# Altium PCB Mouse-Wheel-PCB.PcbDoc
Units mm, origin at the board's own origin, x right, y up, seen from the top; angles counter-clockwise.
Board outline 68.71 x 69.22 mm, 2 copper layers (Top Layer, Bottom Layer); 27 components, 29 nets, 144 pads, 0 vias.
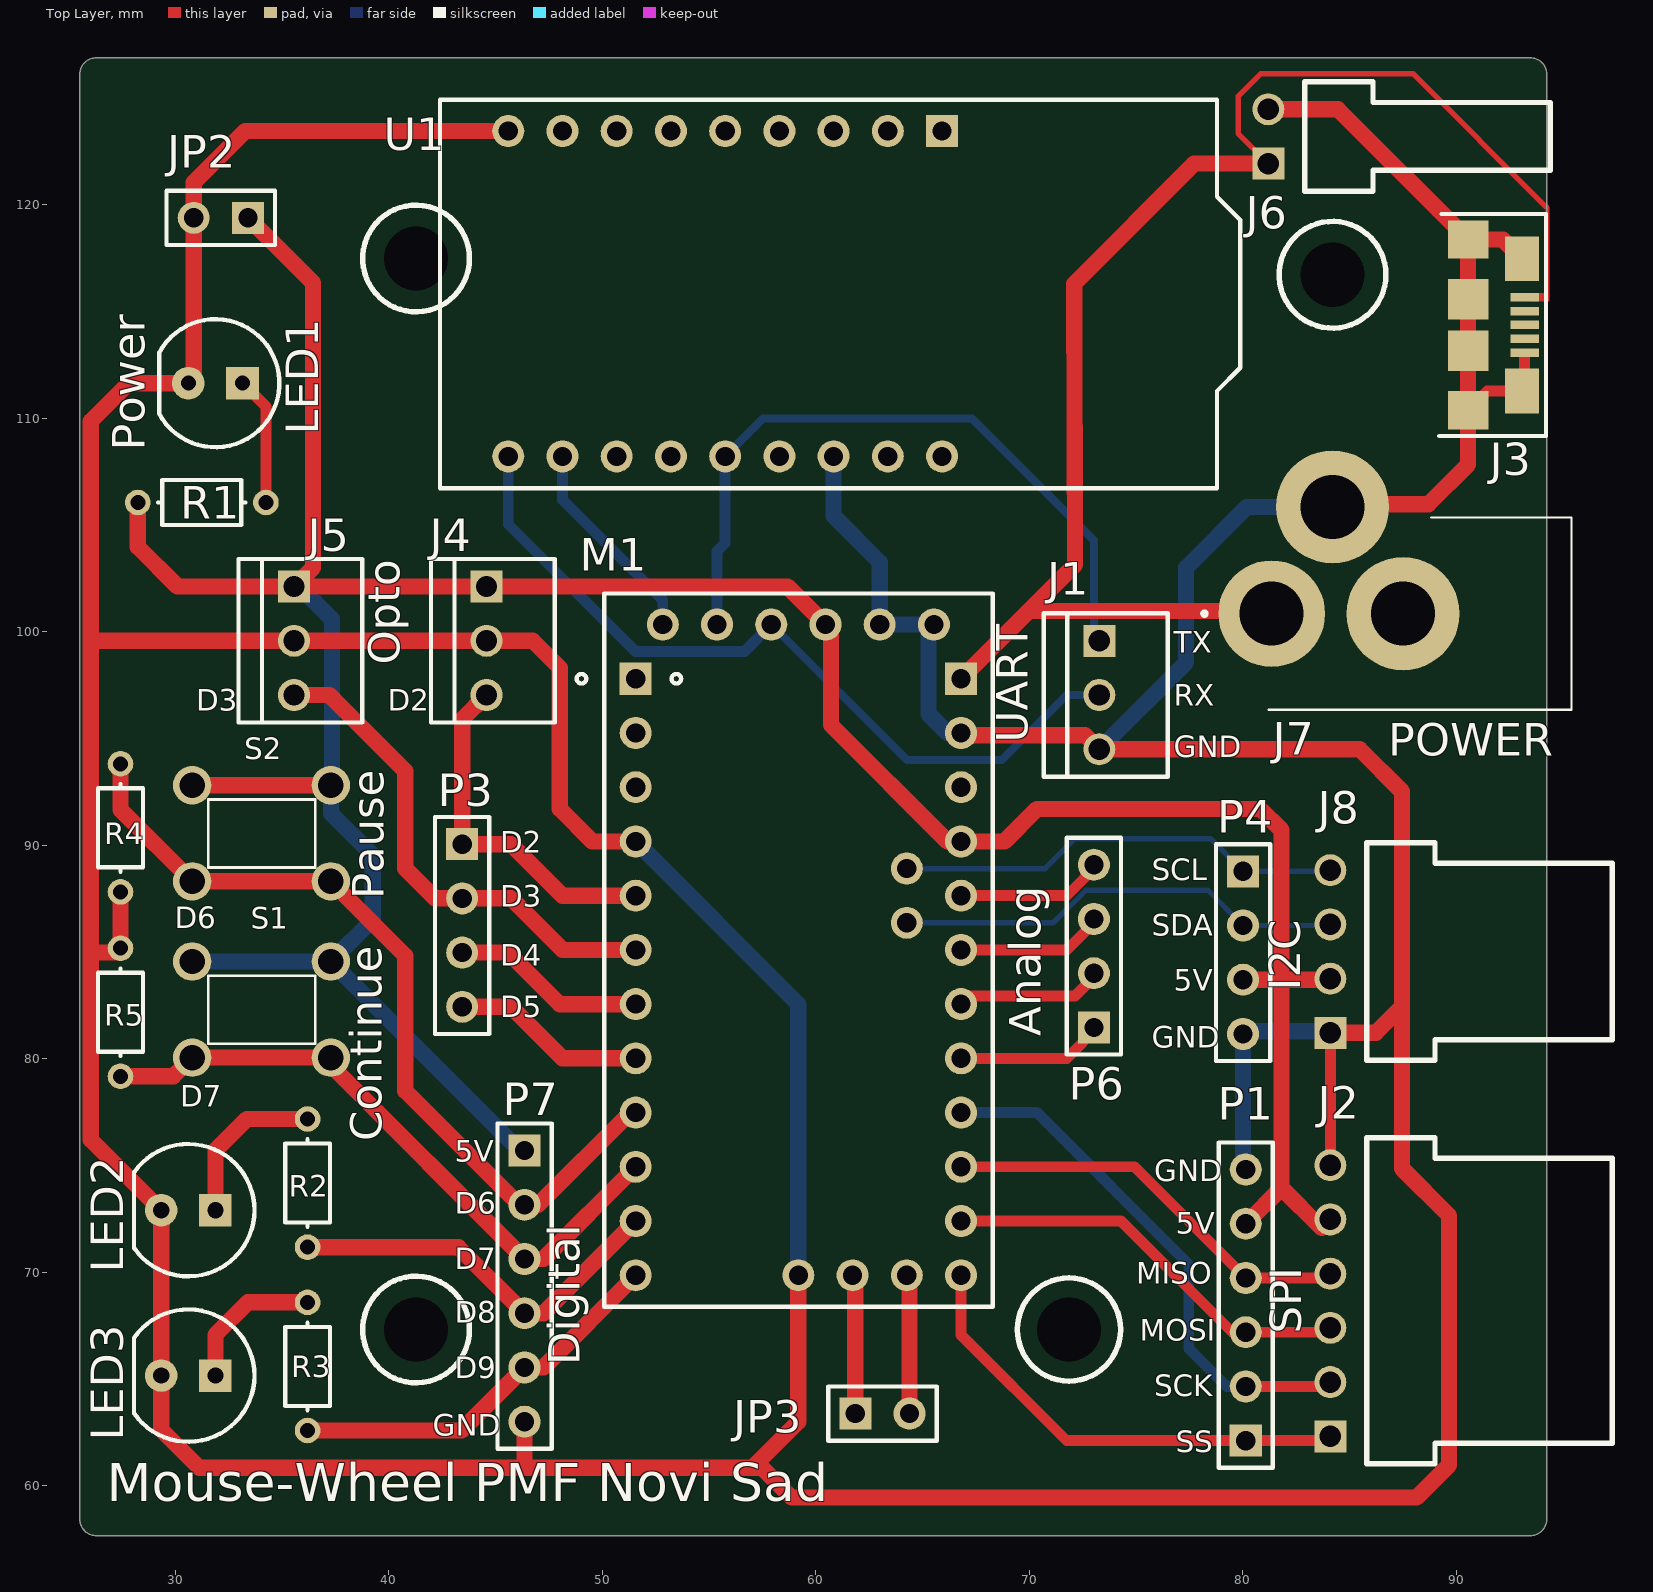
[diagram p0: Top Layer view]
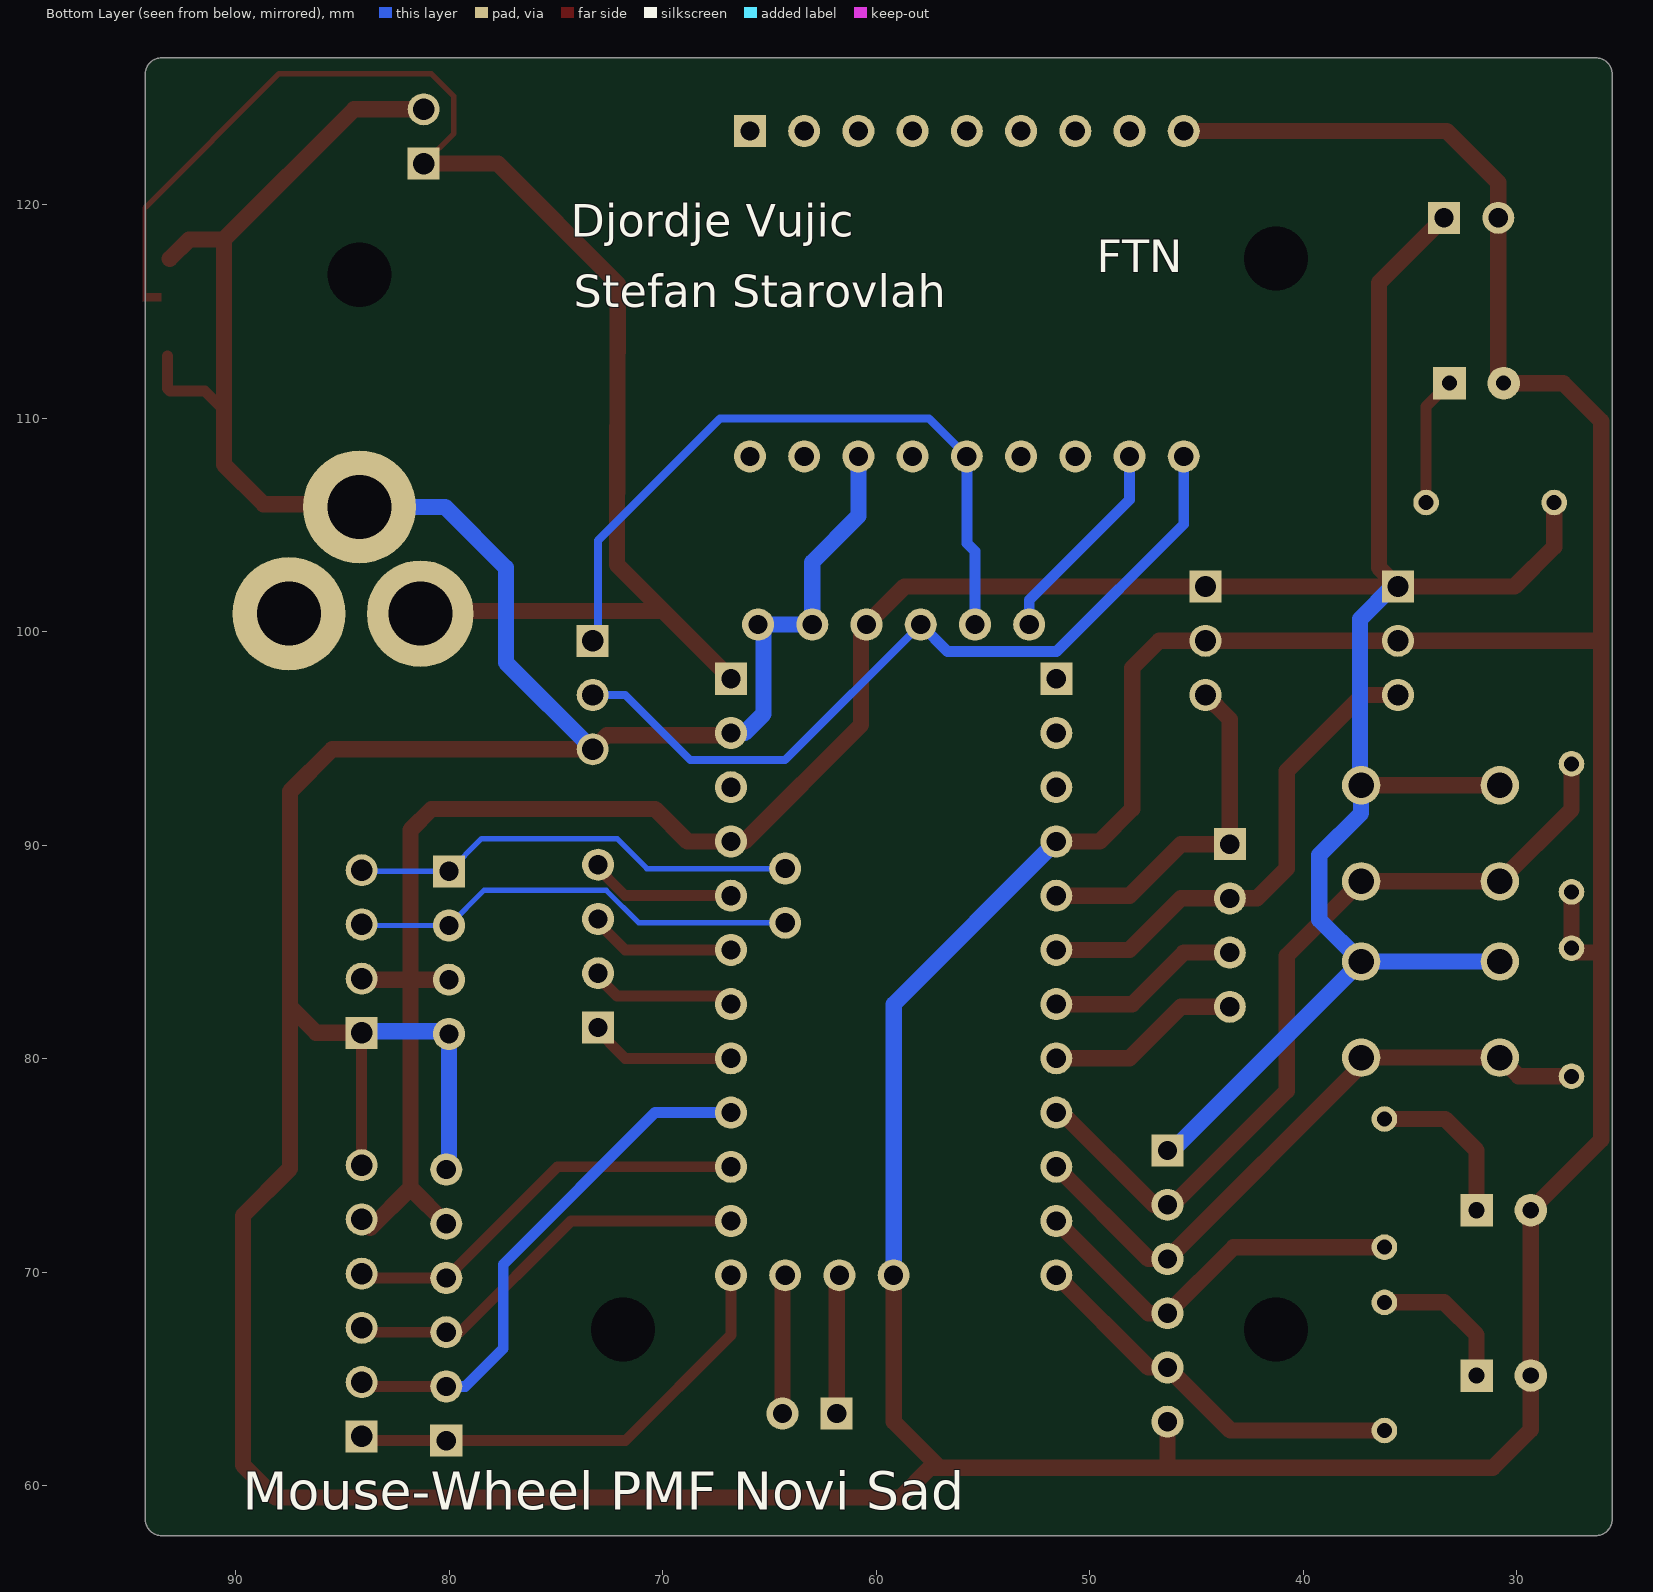
[diagram p1: Bottom Layer view, seen from below]

## Layer stack, top to bottom
Top Solder: solder mask 0.0102, Solder Resist, Dk 3.5
Top Layer: signal copper 0.0356
Dielectric 1: dielectric 0.32, FR-4, Dk 4.8
Bottom Layer: signal copper 0.0356
Bottom Solder: solder mask 0.0102, Solder Resist, Dk 3.5

## Board outline
25.527,58.42 25.527,126.111 cw(c26.289,126.111) 26.289,126.873 93.472,126.873 cw(c93.472,126.111) 94.234,126.111 94.234,58.42 cw(c93.472,58.42) 93.472,57.658 26.289,57.658 cw(c26.289,58.42)
cut-out: 51.689,50.546

## Design rules (kind name [scope] priority, off if disabled: settings)
Clearance [All] p1: gap=0.254 ignorepadtopadclearanceinfootprint=FALSE except(0: Arc-Hole Track-Hole SMDPad-Hole THPad-Hole Via-Hole Fill-Hole Poly-Hole Region-Hole Text-Hole; 0.127: SMDPad-SMDPad)
PolygonConnect [All] p1: connectstyle=Relief reliefconductorwidth=0.254 reliefentries=4 polygonreliefangle="90 Angle" airgapwidth=0.254
RoutingVias [All] p1: holewidth=0.711 width=1.27 viastyle="Through Hole" minholewidth=0.711 minwidth=1.27 maxholewidth=0.711 maxwidth=1.27
SolderMaskExpansion [All] p1: expansion=0.102
Width [All] p1: maxlimit=0.762 minlimit=0.254 preferedwidth=0.508
30 further rules are at their usual default settings.

## Components (designator, comment, footprint, x,y, rotation, side; value= is the part's Value field where it differs from the comment)
J1 "Uart" 61900311121 73.279,97.028 r90 top
J2 "SPI" 61900611021 91.549,68.656 r90 top
J3 "ZX62R-B-5P" "Micro USB b" 90.752,114.363 r270 top
J4 "Optocoupler D2" 61900311121 44.577,99.568 r90 top
J5 "Optocoupler D3" 61900311121 35.56,99.568 r90 top
J6 "DC Power Supply" 61900211021 88.646,123.19 r90 top
J7 "FC68148_DC10A" FC68148DC10A 86.753,102.413 r0 top
J8 "I2C" 61900411021 91.549,85.014 r90 top
JP2 "Power Test" HDR1X2 33.401,119.38 r180 top
JP3 "Header 2H" HDR1X2 61.849,63.373 r0 top
LED1 "Power" LED 31.877,111.633 r180 top
LED2 "Green" "LED RADIAL 5MM GREEN" 31.877,72.898 r180 top
LED3 "Red" "LED RADIAL 5MM RED" 31.877,65.151 r180 top
M1 "Arduino Pro Mini 5V 16MHz" "Arduino Pro Mini" 51.562,97.79 r0 top
P1 "SPI" HDR1X6 80.137,62.103 r90 top
P3 "Digital pins" HDR1X4 43.434,90.043 r270 top
P4 "I2C" HDR1X4 80.01,88.773 r270 top
P6 "Header 4" HDR1X4 73.025,81.458 r90 top
P7 "Header 6" HDR1X6 46.355,75.692 r270 top
R1 "330" AXIAL-3mm 31.242,106.045 r0 top
R2 "330" AXIAL-3mm 36.195,74.168 r90 top
R3 "330" AXIAL-3mm 36.195,65.58 r90 top
R4 "4k8" AXIAL-3mm 27.432,90.805 r90 top
R5 "4k8" AXIAL-3mm 27.432,82.169 r270 top
S1 "Pause" SW-TACT 34.036,82.296 r180 top
S2 "Continue" SW-TACT 34.036,90.551 r180 top
U1 "Female header for FTDI module" FTDI_Module 65.913,123.444 r270 top

## Footprints (in the part's own frame and the unit in brackets; to place one, negate y for a bottom-side part, rotate by r counter-clockwise, add the part's x,y. Pads: shape width x height; smd on the part's side, far side on the other; paste and mask are expansions set on the pad)
61900211021 [mm] "2.54mm Male Left Angled Header Bottom Locking, 2p"
  rect 1.5x1.5 hole 1: 1(-1.27,7.45)
  round 1.5 hole 1: 2(1.27,7.45)
  silkscreen extent -2.56,-5.75 2.56,5.75, body extent -2.54,-5.75 2.54,7.77, height 5.9
61900311121 [mm] "2.54mm Male Locking Header, 3p"
  rect 1.5x1.5 hole 1: 1(2.54,0)
  round 1.5 hole 1: 2(0,0) 3(-2.54,0)
  silkscreen extent -3.83,-3.2 3.83,2.6, body extent -3.81,-3.2 3.81,2.6, height 11.55
61900411021 [mm] "2.54mm Male Left Angled Header Bottom Locking, 4p"
  rect 1.5x1.5 hole 1: 1(-3.81,7.45)
  round 1.5 hole 1: 2(-1.27,7.45) 3(1.27,7.45) 4(3.81,7.45)
  silkscreen extent -5.1,-5.75 5.1,5.75, body extent -5.08,-5.75 5.08,7.77, height 5.9
61900611021 [mm] "2.54mm Male Left Angled Header Bottom Locking, 6p"
  rect 1.5x1.5 hole 1: 1(-6.35,7.45)
  round 1.5 hole 1: 2(-3.81,7.45) 3(-1.27,7.45) 4(1.27,7.45) 5(3.81,7.45) 6(6.35,7.45)
  silkscreen extent -7.64,-5.75 7.64,5.75, body extent -7.62,-5.75 7.62,7.77, height 5.9
"Arduino Pro Mini" [mm] "Arduino Pro Mini Module"
  rect 1.5x1.5 hole 0.9: 1(0,0) 24(15.24,0)
  round 1.5 hole 0.9: 2(0,-2.54) 3(0,-5.08) 4(0,-7.62) 5(0,-10.16) 6(0,-12.7) 7(0,-15.24) 8(0,-17.78) 9(0,-20.32) 10(0,-22.86) 11(0,-25.4) 12(0,-27.94) 13(15.24,-27.94) 14(15.24,-25.4) 15(15.24,-22.86) 16(15.24,-20.32) 17(15.24,-17.78) 18(15.24,-15.24) 19(15.24,-12.7) 20(15.24,-10.16) 21(15.24,-7.62) 22(15.24,-5.08) 23(15.24,-2.54) 25(13.97,2.54) 26(11.43,2.54) 27(8.89,2.54) 28(6.35,2.54) 29(3.81,2.54) 30(1.27,2.54) 31(7.62,-27.94) 32(10.16,-27.94) 33(12.7,-27.94) 34(12.7,-11.43) 35(12.7,-8.89)
  silkscreen extent -2.76,-29.41 16.73,3.99, body extent -1.78,-29.7 16.82,4.3, height 20.1
AXIAL-3mm [mm] "Axial Device, Thru-Hole; 2 Leads; 3.3mm in Pin Spacing"
  round 1.2 hole 0.7: 1(-3,0) 2(3,0)
  silkscreen extent -2.05,-1.05 2.05,1.05, body extent -4.11,-1.2 4.11,1.2, height 2.4
FC68148DC10A [mm]
  round 5 hole 3: 1(-5.4,-1.575)
  round 5.3 hole 3: 2(-2.55,3.425) 3(0.75,-1.575)
  silkscreen extent -8.65,-6.07 8.65,2.93
FTDI_Module [mm] "FTDI custom module"
  rect 1.5x1.5 hole 0.9: 1(0,0)
  round 1.5 hole 0.9: 2(0,-2.54) 3(0,-5.08) 4(0,-7.62) 5(0,-10.16) 6(0,-12.7) 7(0,-15.24) 8(0,-17.78) 9(0,-20.32) 10(15.24,-20.32) 11(15.24,-17.78) 12(15.24,-15.24) 13(15.24,-12.7) 14(15.24,-10.16) 15(15.24,-7.62) 16(15.24,-5.08) 17(15.24,-2.54) 18(15.24,0)
  silkscreen extent -1.47,-23.52 16.73,13.97, body extent -1.27,-27 16.73,12.68, height 18.04
HDR1X2 [mm] "Connector; Header; 2 Position"
  rect 1.5x1.5 hole 0.9: 1(0,0)
  round 1.5 hole 0.9: 2(2.54,0)
  silkscreen extent -1.27,-1.27 3.81,1.27, body extent -1.27,-1.27 3.81,1.27, height 8.44
HDR1X4 [mm] "Connector; Header; 4 Position"
  rect 1.5x1.5 hole 0.9: 1(0,0)
  round 1.5 hole 0.9: 2(2.54,0) 3(5.08,0) 4(7.62,0)
  silkscreen extent -1.27,-1.27 8.89,1.27, body extent -1.27,-1.26 8.89,1.24, height 8.4
HDR1X6 [mm] "Connector; Header; 6 Position"
  rect 1.5x1.5 hole 0.9: 1(0,0)
  round 1.5 hole 0.9: 2(2.54,0) 3(5.08,0) 4(7.62,0) 5(10.16,0) 6(12.7,0)
  silkscreen extent -1.27,-1.27 13.97,1.27, body extent -1.27,-1.27 13.97,1.27, height 8.5
LED [mil]
  rect 60x60 hole 27.56: 1(-50,0)
  round 60 hole 27.56: 2(50,0)
  silkscreen extent -118,-118 104,118, body extent -118,-118 98,118, height 352
"LED RADIAL 5MM GREEN" [mil] "LED RADIAL 5MM THROUGH HOLE 100 MILS PITCH"
  rect 60x60 hole 30: 1(0,0)
  round 60 hole 30: 2(100,0)
  silkscreen extent -72,-122 150,122, body extent -68,-118 148,118, height 352
"LED RADIAL 5MM RED" [mil] "LED RADIAL 5MM THROUGH HOLE 100 MILS PITCH"
  rect 60x60 hole 30: 1(0,0)
  round 60 hole 30: 2(100,0)
  silkscreen extent -72,-122 150,122, body extent -68,-118 148,118, height 352
"Micro USB b" [mm]
  rect 0.4x1.35 smd: 1(-1.3,2.449) 2(-0.65,2.449) 3(0,2.449) 4(0.65,2.449) 5(1.3,2.449)
  rect 2.1x1.6 smd: 6(3.1,2.33) 11(-3.1,2.33)
  rect 1.8x1.9 smd: 7(4,-0.201) 10(-4,-0.201)
  rect 1.9x1.9 smd: 8(1.2,-0.2) 9(-1.2,-0.201)
  silkscreen extent -5.2,-1.55 5.2,3.45, body extent -4.04,-2.7 4.04,2.9, height 2.78
SW-TACT [mm] "SWITCH TACT 6MM MOM 150GF PTH"
  round 1.8 hole 1.19: 1(-3.25,-2.25) 2(3.25,-2.25) 3(3.25,2.25) 4(-3.25,2.25)
  silkscreen extent -2.52,-1.58 2.49,1.6, body extent -4.12,-3.26 4.15,3.24, height 9

## Part data
J1 J4 J5: library part 61900311121, "WR-WTB 2.54mm Male Locking Header, 3p", ComponentLink1Description=Manufacturer, ComponentLink1URL=http://www.we-online.de, ComponentLink2Description=Datasheet, ComponentLink2URL=http://katalog.we-online.de/em/datasheet/6190xx11121.pdf, Part Number=61900311121, Pin Number=3, Pitch="2.54 mm", Published Date="June 2017", Publisher="Wurth Elektronik"
J2: library part 61900611021, "WR-WTB 2.54mm Male Left Angled Header Bottom Locking, 6p", ComponentLink1Description=Manufacturer, ComponentLink1URL=http://www.we-online.de, ComponentLink2Description=Datasheet, ComponentLink2URL=http://katalog.we-online.de/em/datasheet/6190xx11021.pdf, Part Number=61900611021, Pin Number=6, Pitch="2.54 mm", Published Date="June 2017", Publisher="Wurth Elektronik"
J3: "SMD Micro USB Connector", Supplier Part Number 1=H11574TR-ND, Supplier 1=Digi-Key
J6: library part 61900211021, "WR-WTB 2.54mm Male Left Angled Header Bottom Locking, 2p", ComponentLink1Description=Manufacturer, ComponentLink1URL=http://www.we-online.de, ComponentLink2Description=Datasheet, ComponentLink2URL=http://katalog.we-online.de/em/datasheet/6190xx11021.pdf, Part Number=61900211021, Pin Number=2, Pitch="2.54 mm", Published Date="June 2017", Publisher="Wurth Elektronik"
J7: "CLIFF ELECTRONIC COMPONENTS - FC68148 DC10A - SOCKET, PCB, DC POWER, 2.1MM, PK10", Arrow Part Number="FC68148 DC10A", Manufacturer_Name="CLIFF ELECTRONIC COMPONENTS", Datasheet Link=http://www.cliffuk.co.uk/products/dcconnectors/FC68148.pdf, Geometry.Height=11mm, Manufacturer_Part_Number="FC68148 DC10A"
J8: library part 61900411021, "WR-WTB 2.54mm Male Left Angled Header Bottom Locking, 4p", ComponentLink1Description=Manufacturer, ComponentLink1URL=http://www.we-online.de, ComponentLink2Description=Datasheet, ComponentLink2URL=http://katalog.we-online.de/em/datasheet/6190xx11021.pdf, Part Number=61900411021, Pin Number=4, Pitch="2.54 mm", Published Date="June 2017", Publisher="Wurth Elektronik"
JP2: library part "Header 2H", "Header, 2-Pin, Right Angle", LatestRevisionDate=17-Jul-2002, LatestRevisionNote="Re-released for DXP Platform.", Publisher="Altium Limited"
JP3: "Header, 2-Pin, Right Angle", LatestRevisionDate=17-Jul-2002, LatestRevisionNote="Re-released for DXP Platform.", Publisher="Altium Limited"
LED1: library part LED, "Typical RED, GREEN, YELLOW, AMBER GaAs LED", LatestRevisionDate=17-Jul-2002, LatestRevisionNote="Re-released for DXP Platform.", PackageDescription="SM LED; 2 Flat Leads", PackageReference=3.2X1.6X1.1, PackageVersion=Feb-2002, Published=8-Jun-2000, Publisher="Altium Limited"
LED2: library part "LED RADIAL 5MM GREEN", "LED RADIAL", Supplier Part Number 1=C503B-RCN-CW0Z0AA1-ND, Supplier 1=Digi-Key
LED3: library part "LED RADIAL 5MM RED", "LED RADIAL", Supplier Part Number 1=C503B-RCN-CW0Z0AA1-ND, Supplier 1=Digi-Key
P1: library part "Header 6", "Header, 6-Pin", LatestRevisionDate=17-Jul-2002, LatestRevisionNote="Re-released for DXP Platform.", Publisher="Altium Limited"
P3 P4: library part "Header 4", "Header, 4-Pin", LatestRevisionDate=17-Jul-2002, LatestRevisionNote="Re-released for DXP Platform.", Publisher="Altium Limited"
P6: "Header, 4-Pin", LatestRevisionDate=17-Jul-2002, LatestRevisionNote="Re-released for DXP Platform.", Publisher="Altium Limited"
P7: "Header, 6-Pin", LatestRevisionDate=17-Jul-2002, LatestRevisionNote="Re-released for DXP Platform.", Publisher="Altium Limited"
R1 R2 R3 R4 R5: library part Res1, "Resistor", LatestRevisionDate=17-Jul-2002, LatestRevisionNote="Re-released for DXP Platform.", PackageDescription="Axial Device, Thru-Hole; 2 Leads; 0.3 in Pin Spacing", PackageReference=AXIAL-0.3, Published=8-Jun-2000, Publisher="Altium Limited"
S1 S2: library part SW-PB, "B3F-1002 SWITCH TACT 6MM MOM 150GF", LatestRevisionDate=17-Jul-2002, LatestRevisionNote="Re-released for DXP Platform.", PackageReference=SPST-2, Published=24-Mar-1999, Publisher="Altium Limited"
U1: library part Module_FTDI, "Connection header for custom FTDI module"

## Free pads (board coordinates)
  round 1 hole 3: 5(41.275,67.31)
  round 0 hole 3: 5(41.275,117.475) 5(71.857,67.31) 5(84.201,116.713)

## Nets (pads, with @x,y where several pads share a name; then routed paths per layer and width w, separated by ;. In a path a pad name is that pad's centre, name@x,y a point inside that pad or via, vN(x,y) a via of type N, cw(c..) or ccw(c..) an arc to the next point about the centre after c; other vN are vias at no path point)
+5V: J2.5 J4.1 J5.1 J8.2 JP2.1 M1.21 M1.27 P1.5 P4.3 P7.1 R1.1 S1.1 S1.2 S2.1 S2.2 | length 156.3
  Top Layer w0.762: R1.1 28.242,103.965 30.099,102.108 J5.1 ; S2.2 S2.1 ; JP2.1 36.449,116.332 36.449,102.997 J5.1 ; P4.3 81.813,83.693 ; P1.5 81.813,73.939 ; J2.5 83.693,72.06 81.813,73.939 ; J8.2@84.099,83.769 84.023,83.693 81.813,83.693 ; J5.1 J4.1 58.674,102.108 M1.27 60.706,100.076 60.706,95.631 66.167,90.17 M1.21 68.834,90.17 70.358,91.694 80.823,91.694 81.813,90.703 81.813,83.693 ; 81.813,73.939 81.813,83.693
  Bottom Layer w0.762: S1.2 S1.1 ; S2.2 S2.2@30.861,92.876 ; J5.1 35.814,102.108 37.338,100.584 37.338,92.853 S2.1 37.286,91.492 39.243,89.535 39.243,86.503 S1.1 ; P7.1 46.14,75.692 S1.1
AN0: M1.17 P6.1 | length 7.1
  Top Layer w0.508: M1.17 71.755,80.01 P6.1@73.279,81.534
AN1: M1.18 P6.2 | length 7.1
  Top Layer w0.508: M1.18 67.183,82.931 72.136,82.931 P6.2@73.279,84.074
AN2: M1.19 P6.3 | length 7.1
  Top Layer w0.508: M1.19 71.755,85.09 P6.3@73.279,86.614
AN3: M1.20 P6.4 | length 7.1
  Top Layer w0.508: M1.20 71.755,87.63 P6.4@73.279,89.154
AN6: JP3.1 M1.32 | length 6.5
  Top Layer w0.762: M1.32 61.849,69.723 JP3.1
D2: J4.3 M1.5 P3.1 | length 16.6
  Top Layer w0.762: J4.3 43.434,95.885 P3.1 45.72,90.043 48.133,87.63 M1.5
D3: J5.3 M1.6 P3.2 | length 23.6
  Top Layer w0.762: J5.3 37.211,97.028 40.767,93.472 40.767,88.9 42.164,87.503 P3.2 45.72,87.503 48.133,85.09 M1.6
D4: M1.7 P3.3 | length 9.1
  Top Layer w0.762: P3.3 45.593,84.963 48.006,82.55 M1.7
D5: M1.8 P3.4 | length 9.1
  Top Layer w0.762: P3.4 45.72,82.423 48.133,80.01 M1.8
D6: M1.9 P7.2 R4.2 S2.3 S2.4 | length 39.4
  Top Layer w0.762: R4.2 27.432,91.655 S2.3 S2.4 40.767,84.82 40.767,78.486 46.101,73.152 P7.2 46.99,73.152 51.308,77.47 M1.9
D7: M1.10 P7.3 R5.2 S1.3 S1.4 | length 30.4
  Top Layer w0.762: R5.2 29.909,79.169 S1.3 S1.4 37.286,79.681 P7.3 47.244,70.612 M1.10
D8: M1.11 P7.4 R2.1 | length 18.4
  Top Layer w0.762: R2.1 43.259,71.168 P7.4 47.244,68.072 M1.11
D9: M1.12 P7.5 R3.1 | length 18.4
  Top Layer w0.762: R3.1 43.403,62.58 P7.5 47.244,65.532 M1.12
DTR: M1.30 U1.11 | length 9.8
  Bottom Layer w0.508: U1.11 48.133,106.172 52.832,101.473 M1.30
GND: J1.3 J2.6 J3.5 J3.6 J3.7 J3.8 J3.9 J3.10 J3.11 J4.2 J5.2 J6.2 J7.2 J8.1 JP2.2 LED1.2 LED2.2 LED3.2 M1.4 M1.23 M1.25 M1.26 M1.31 P1.6 P4.4 P7.6 R4.1 R5.1 U1.9 U1.16 | length 363.5
  Top Layer w0.508: J2.6 J8.1 ; J3.7 91.451,111.263 J3.6 93.201,111.382 J3.5@93.201,112.903
  Top Layer w0.762: R4.1 R5.1 27.226,84.963 26.035,84.963 ; J4.2@44.577,99.314 44.323,99.568 J5.2 26.035,99.568 ; J4.2 46.736,99.568 48.006,98.298 48.006,91.694 49.53,90.17 M1.4 ; U1.9 33.274,123.444 30.861,121.031 JP2.2 30.861,111.887 LED1.2 27.813,111.633 26.035,109.855 26.035,99.568 ; P7.6 46.355,60.833 ; M1.31 59.182,62.992 57.023,60.833 ; M1.23 66.911,95.141 72.612,95.141 73.265,94.488 J1.3 85.471,94.488 87.452,92.507 87.452,82.423 ; J6.2 84.454,124.46 J3.10 ; J7.2@82.757,105.965 88.693,105.965 90.551,107.823 J3.7 J3.9 J3.10 ; J8.1 86.233,81.204 87.452,82.423 ; J3.11 92.182,118.363 J3.10 ; 26.035,84.963 26.035,99.568 ; 26.035,84.963 26.035,76.2 LED2.2 LED3.2 29.337,62.611 31.115,60.833 46.355,60.833 ; 46.355,60.833 57.023,60.833 ; 57.023,60.833 57.48,60.833 58.877,59.436 88.138,59.436 89.662,60.96 89.662,72.644 87.452,74.854 87.452,82.423
  Bottom Layer w0.762: M1.4 59.182,82.55 M1.31 ; U1.16 60.833,105.41 62.992,103.251 M1.26 M1.25 65.278,100.076 65.278,96.139 66.167,95.25 M1.23 ; J1.3 77.343,98.552 77.343,102.997 80.184,105.838 J7.2 ; P1.6 80.01,74.93 P4.4 80.137,81.28 J8.1@84.099,81.28
I2C_SCL: J8.4 M1.35 P4.1 | length 21.1
  Bottom Layer w0.254: M1.35 70.739,88.9 72.136,90.297 78.486,90.297 P4.1 84.023,88.773 J8.4@84.099,88.849
I2C_SDA: J8.3 M1.34 P4.2 | length 21.2
  Bottom Layer w0.254: M1.34 71.12,86.36 72.644,87.884 78.359,87.884 P4.2 84.023,86.233 J8.3@84.099,86.309
NetJP3_2: JP3.2 M1.33 | length 6.5
  Top Layer w0.762: M1.33 64.389,69.723 JP3.2
NetLED1_1: LED1.1 R1.2 | length 6
  Top Layer w0.508: LED1.1 34.242,110.538 R1.2
NetLED2_1: LED2.1 R2.2 | length 7.7
  Top Layer w0.762: LED2.1 31.877,75.692 33.353,77.168 R2.2
NetLED3_1: LED3.1 R3.2 | length 6.9
  Top Layer w0.762: LED3.1 31.877,67.056 33.401,68.58 R3.2
RAW: J3.1 J6.1 J7.1 M1.24 | length 65.2
  Top Layer w0.254: J6.1 79.781,123.335 79.781,125.07 80.848,126.136 87.96,126.136 94.209,119.888
  Top Layer w0.762: M1.24 69.977,100.965 ; J6.1 77.713,121.913 72.108,116.284 72.136,103.124 69.977,100.965 ; J7.1@81.861,100.965 69.977,100.965
RX: J1.2 M1.28 U1.10 | length 37.7
  Bottom Layer w0.381: M1.28 64.262,93.98 68.707,93.98 71.755,97.028 J1.2
  Bottom Layer w0.508: U1.10 45.593,105.029 51.55,99.072 56.654,99.072 M1.28
SPI_MISO: J2.4 M1.15 P1.4 | length 19.5
  Top Layer w0.508: M1.15 74.93,74.93 P1.4 83.896,69.723 J2.4
SPI_MOSI: J2.3 M1.14 P1.3 | length 19.5
  Top Layer w0.508: M1.14 74.295,72.39 79.502,67.183 P1.3 83.896,67.183 J2.3
SPI_S\S\: J2.1 M1.13 P1.1 | length 22.2
  Top Layer w0.508: M1.13 66.802,67.056 71.755,62.103 P1.1 83.896,62.103 J2.1
SPI_SCK: J2.2 M1.16 P1.2 | length 25
  Top Layer w0.508: P1.2 83.896,64.643 J2.2
  Bottom Layer w0.508: M1.16 70.358,77.47 77.47,70.358 77.47,66.421 79.248,64.643 P1.2
TX: J1.1 M1.29 U1.14 | length 33.1
  Bottom Layer w0.381: U1.14 57.531,109.982 67.31,109.982 73.025,104.267 J1.1@73.025,99.568
  Bottom Layer w0.508: M1.29 55.372,103.759 55.753,104.14 U1.14
pads on no net: J3.2 J3.3 J3.4 J7.3 M1.1 M1.2 M1.3 M1.22 U1.1 U1.2 U1.3 U1.4 U1.5 U1.6 U1.7 U1.8 U1.12 U1.13 U1.15 U1.17 U1.18

## Polygon pours and split planes (outlines as drawn)
no net on Top Layer "Top Layer-No Net" (solid, pour order 0): 94.361,119.888

## Other copper
Top Layer:
  rectangle net RAW: 94.183,115.824 94.361,119.888
  rectangle net RAW: 93.472,115.468 94.361,115.849

## Silkscreen, mask and mechanical layers (free items; w line width, h text height)
Top Overlay:
  circle w0.254: c84.201,116.713 r2.5
  circle w0.254: c71.857,67.31 r2.416
  circle w0.254: c41.275,117.475 r2.5
  circle w0.254: c41.275,67.31 r2.5
  text "TX" at 76.759,99.009 h1.02
  text "Opto" at 40.996,98.45 h2.54 r90
  text "RX" at 76.759,96.52 h1.02
  text "D3" at 30.988,96.291 h1.02
  text "D2" at 39.954,96.291 h1.02
  text "UART" at 70.409,94.793 h2.54 r90
  text "POWER" at 86.817,94.183 h1.52
  text "GND" at 76.759,94.107 h1.02
  text "D2" at 45.212,89.637 h1.02
  text "SCL" at 75.743,88.341 h1.02
  text "Pause" at 40.259,87.452 h2.54 r90
  text "D3" at 45.212,87.122 h1.02
  text "D6" at 29.972,86.106 h1.02
  text "SDA" at 75.743,85.75 h1.02
  text "D4" at 45.212,84.353 h1.02
  text "5V" at 76.758,83.185 h1.02
  text "I2C" at 83.185,83.185 h2.54 r90
  text "D5" at 45.212,81.94 h1.02
  text "Analog" at 71.018,81.051 h2.54 r90
  text "GND" at 75.743,80.518 h1.02
  text "D7" at 30.226,77.749 h1.02
  text "Continue" at 40.157,76.124 h2.54 r90
  text "5V" at 43.078,75.159 h1.02
  text "GND" at 75.853,74.244 h1.02
  text "D6" at 43.078,72.72 h1.02
  text "5V" at 76.868,71.806 h1.02
  text "D7" at 43.078,70.129 h1.02
  text "MISO" at 75.006,69.444 h1.02
  text "D8" at 43.078,67.615 h1.02
  text "SPI" at 83.236,67.107 h2.54 r90
  text "MOSI" at 75.175,66.777 h1.02
  text "Digital" at 49.428,65.634 h2.54 r90
  text "D9" at 43.078,65.024 h1.02
  text "SCK" at 75.853,64.186 h1.02
  text "GND" at 42.063,62.332 h1.02
  text "SS" at 76.868,61.57 h1.02
  text "Mouse-Wheel PMF Novi Sad" at 26.797,58.674 h3.05
Bottom Overlay:
  text "Djordje Vujic" at 74.295,118.491 h1.52
  text "FTN" at 49.657,116.84 h1.52
  text "Stefan Starovlah" at 74.168,115.189 h1.52
  text "Mouse-Wheel PMF Novi Sad" at 89.662,58.293 h3.05
Mechanical 1:
  the board outline again, w0.254